# KiCad board 2000ATX.kicad_pcb (continued)
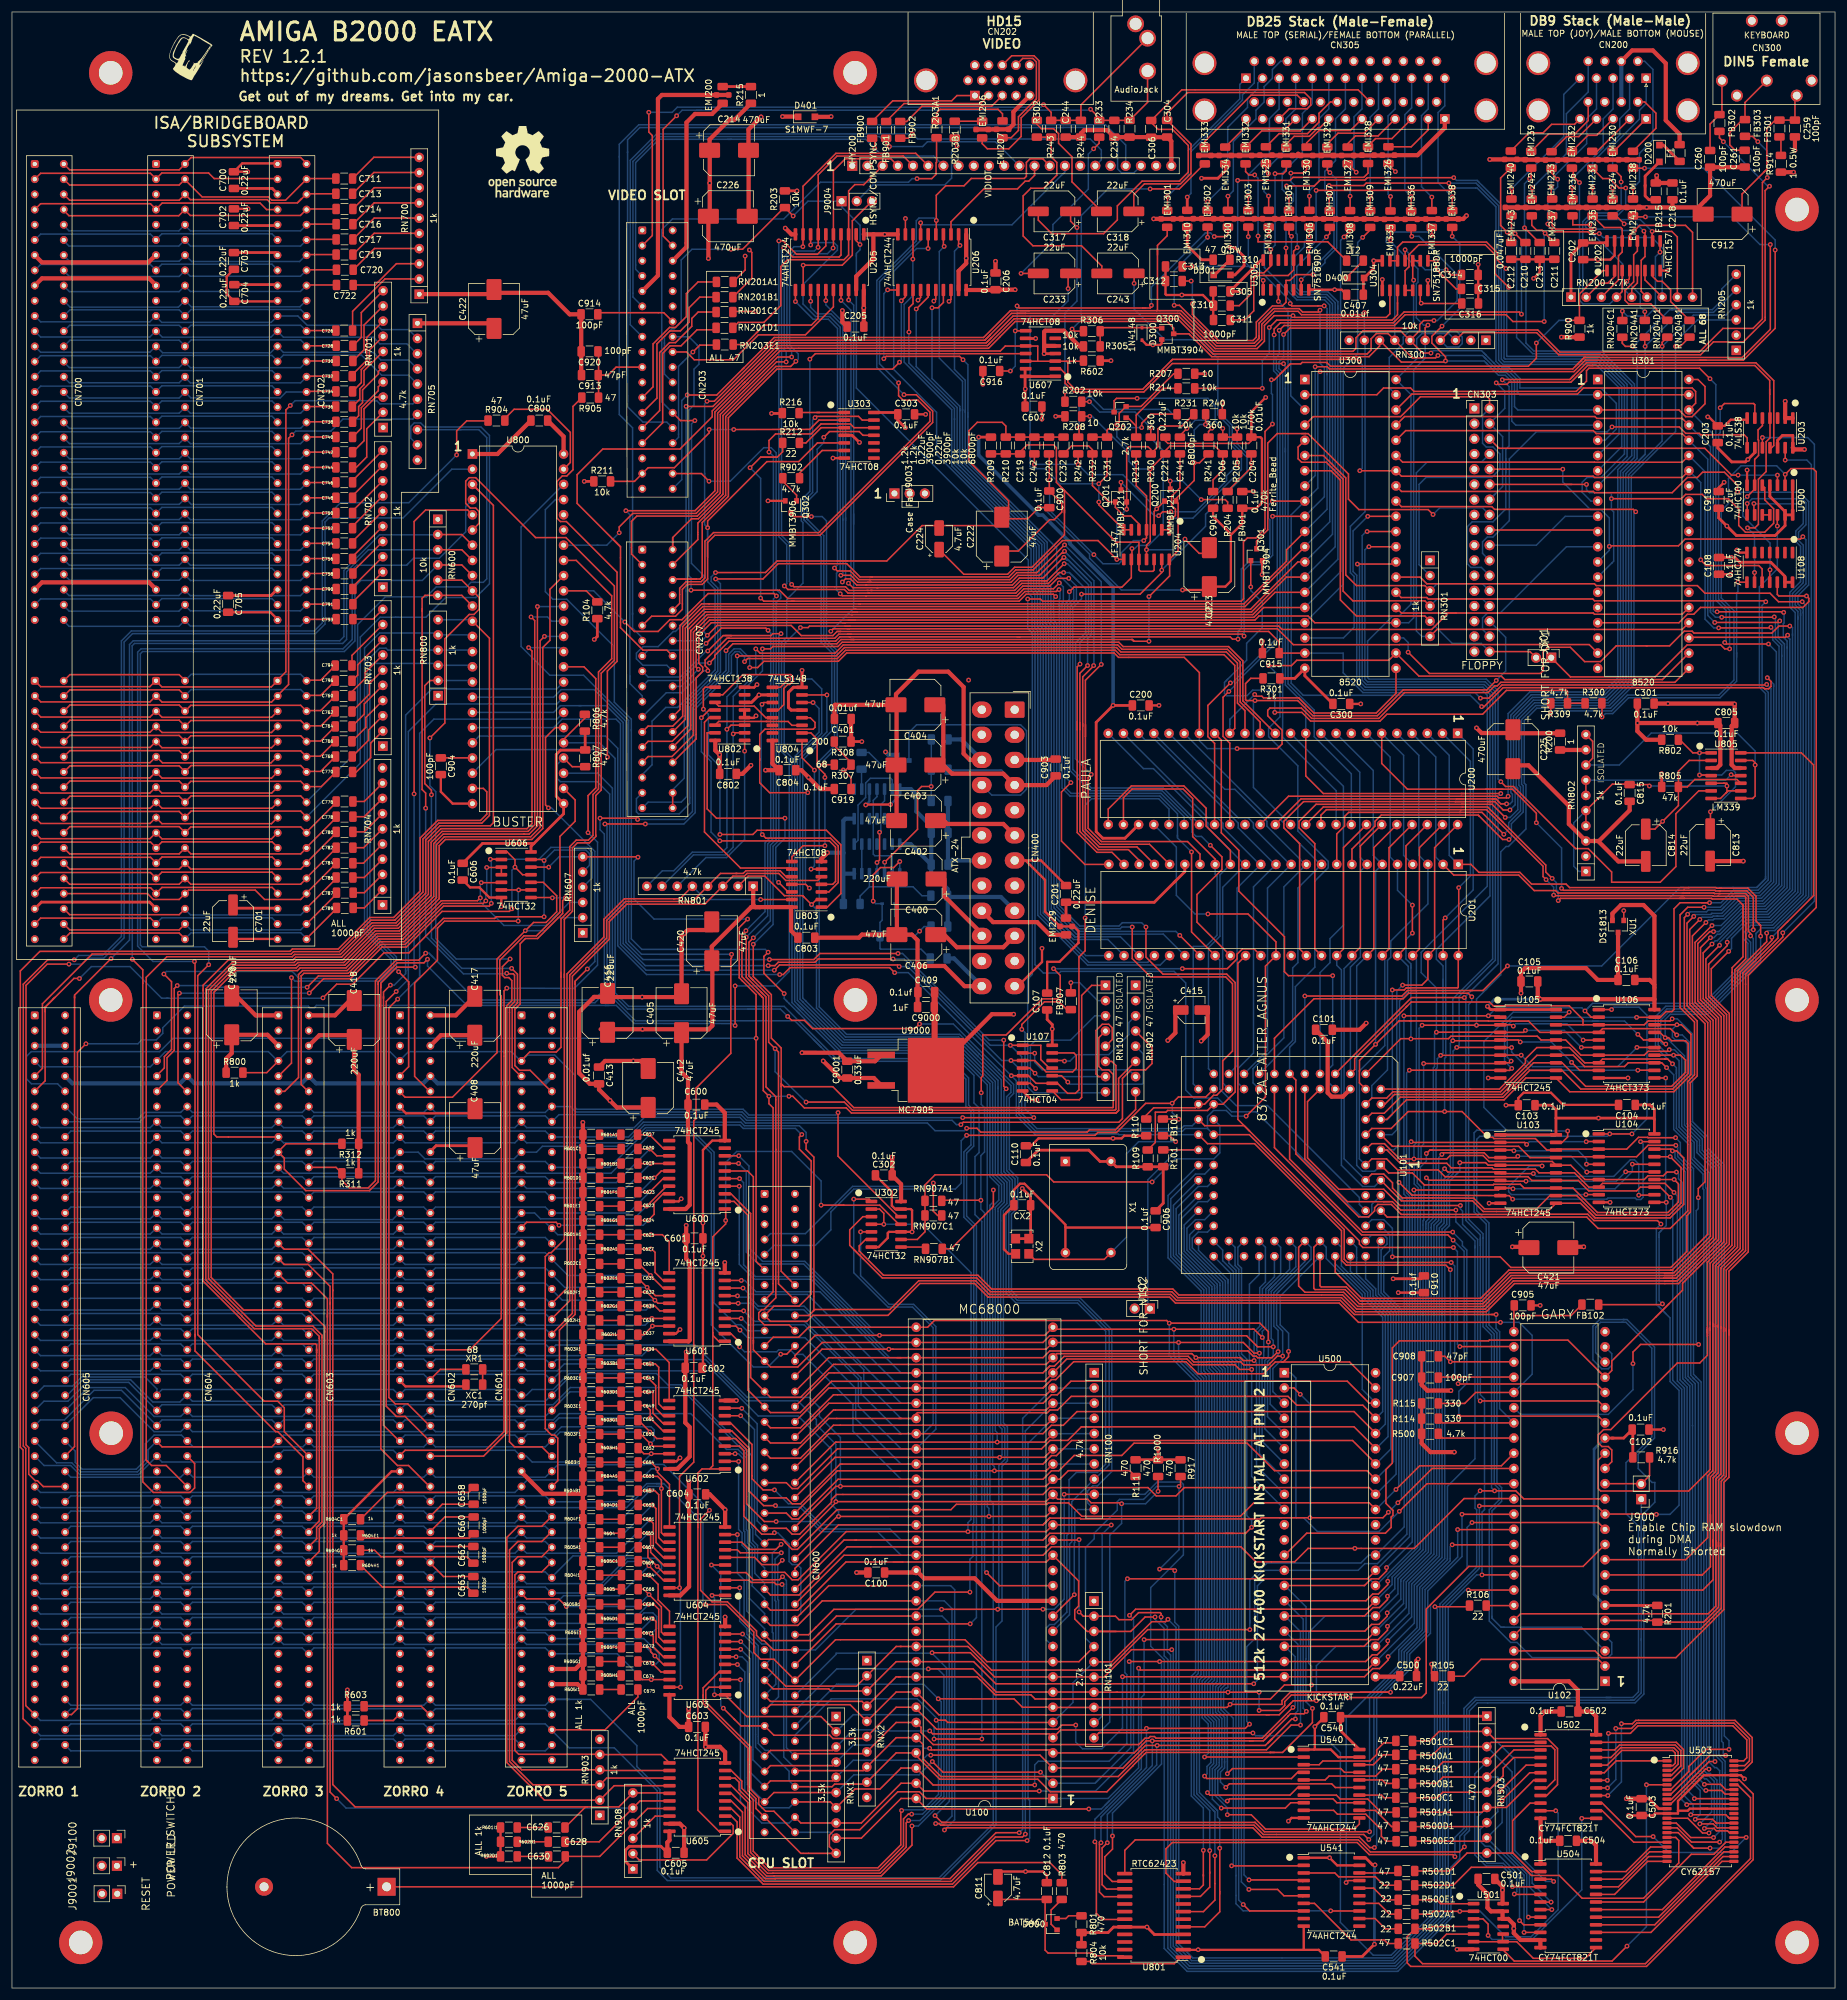
[diagram p0: board, top side]
## Routing (per net, layer and track width the routed paths; a pad name or vN(x,y) marks a point on that pad's centre or on a via; arc(x,y) is an arc through that point) (continued)
DRA3: length 126.8
  Top w0.25: U540.8 213.79,30.96 212.9,30.07 v1(202.18,30.07)
  Bottom w0.25: v1(202.18,30.07) 200.7,31.56 200.7,36.65 201.39,37.34 201.39,44.66 200.33,45.72 200.33,50.73 201.04,51.44 201.04,102.69 200.17,103.57 200.17,117.03 194.64,122.56 194.64,130.23 198.34,133.94 199.88,133.94 U101.46
DRA4: length 133.8
  Top w0.25: U540.11 225.27,27.41 224.43,26.56 209.58,26.56 207.19,28.96 v1(203.2,28.96)
  Bottom w0.25: U101.47 195.09,129.15 195.09,122.75 200.62,117.22 200.62,116.76 200.62,103.8 201.49,102.92 201.49,51.26 200.78,50.54 200.78,45.91 201.84,44.85 201.84,37.15 201.15,36.46 201.15,32.18 203.2,30.13 v1(203.2,28.96)
DRA5: length 131.4
  Top w0.25: v1(203.2,31.24) 203.57,31.61 220.87,31.61 221.51,30.96 U540.13
  Bottom w0.25: v1(203.2,31.24) 202.73,31.24 201.6,32.37 201.6,36.28 202.29,36.97 202.29,38.25 202.29,45.03 201.23,46.09 201.23,50.35 201.94,51.07 201.94,103.11 201.07,103.98 201.07,117.41 195.54,122.94 195.54,128.59 198.34,131.4 199.88,131.4 U101.48
DRA6: length 124.4
  Top w0.25: v1(202.95,33.53) 203.55,34.13 220.63,34.13 221.26,33.5 U540.15
  Bottom w0.25: 202.74,37.8 202.74,37.59 ; 202.74,37.8 202.74,45.22 201.68,46.28 201.68,50.17 202.39,50.88 202.39,103.29 201.52,104.17 201.52,117.59 195.99,123.12 195.99,127.51 U101.49 ; 202.74,37.8 202.74,36.78 202.05,36.09 202.05,34.43 v1(202.95,33.53)
DRA7: length 122.9
  Top w0.25: v1(203.2,35.81) 204.05,36.67 222.16,36.67 222.78,36.04 U540.17
  Bottom w0.25: U101.50 199.41,128.39 197.88,128.39 196.44,126.95 196.44,123.31 201.97,117.78 201.97,117.41 201.97,104.36 202.84,103.48 202.84,50.7 202.13,49.98 202.13,46.51 203.19,45.45 203.2,37.85 v1(203.2,35.81)
DRA8: length 123.5
  Top w0.25: U541.2 215.9,20.42 v1(203.91,20.42)
  Bottom w0.25: v1(203.91,20.42) 204.19,20.7 204.19,45.08 202.58,46.7 202.58,49.78 202.95,50.15 203.16,50.15 203.29,50.28 203.29,103.71 202.42,104.59 202.42,117.97 196.89,123.5 196.89,125.87 U101.51
DRD0: length 268.8
  Top w0.25: v1(287.07,39.88) 283.21,39.88 282.19,38.86 ; 262.66,160.96 262.66,161.83 260.37,164.12 247.67,164.12 247.03,164.76 233.94,164.76 233.12,163.93 ; 262.66,160.96 U106.3 272.9,160.96 273.54,161.59 277.22,161.59 v1(277.57,161.95) ; 262.66,160.96 U105.18 ; U503.7 277.32,33.17 280.37,36.21 280.37,37.03 282.19,38.86 ; 233.12,163.93 224.49,155.3 224.49,153.47 U101.14 ; 233.12,163.93 233.31,164.12 ; 282.19,38.86 282.4,39.07
  Bottom w0.25: U101.14 223.77,170.6 225.44,172.27 225.44,186.63 U201.7 225.34,188.98 225.34,203.16 U200.10 ; v1(277.57,161.95) 278.44,161.95 280.98,159.42 280.98,144.77 283.5,142.24 283.5,140.36 286.29,137.58 286.29,42.13 287.07,41.35 v1(287.07,39.88)
DRD1: length 256.9
  Top w0.25: 280.74,35.74 283.86,38.86 v1(286.51,38.86) ; 280.74,35.74 281.89,36.88 ; 280.74,35.74 277.32,32.37 U503.8 ; 233.63,161.61 233.97,161.61 ; 233.97,161.61 231.9,161.61 v1(227.98,157.69) 225.3,155.01 225.3,153.27 225.28,153.25 225.28,151.25 U101.13 ; 233.97,161.61 246.82,161.61 246.85,161.58 253.55,161.58 255.45,159.69 U105.17 U106.4 265.93,160.31 277.28,160.31 v1(278.33,159.26)
  Bottom w0.25: v1(227.98,157.69) 227.98,186.63 U201.6 227.59,189.27 227.59,203.45 U200.9 ; v1(286.51,38.86) 286.11,39.26 286.11,40.96 285.84,41.24 285.84,137.39 283.05,140.18 283.05,142.06 280.53,144.58 280.53,157.99 279.26,159.26 v1(278.33,159.26)
DRD2: length 244.4
  Top w0.25: 277.11,156.82 v1(277.09,156.79) 276.82,156.52 273.55,156.52 272.9,155.88 U106.7 262.31,155.88 259.77,158.42 U105.16 255.65,158.42 255.03,159.04 240.57,159.04 240.17,158.64 232.2,158.64 U101.12 ; 280.94,35.04 283.75,37.85 v1(284.73,37.85) ; 280.94,35.04 277.47,31.57 U503.9 ; 280.94,35.04 281.36,35.46 ; v1(234.14,180.95) v1(234.14,176.28)
  Bottom w0.25: 233.89,170.44 v1(233.89,158.6) ; 233.89,170.44 233.89,170.91 ; 233.89,170.44 233.89,171.14 233.06,171.97 233.06,175.2 v1(234.14,176.28) ; v1(234.14,180.95) 231.65,183.44 U201.5 230.42,188.98 230.42,205.7 U200.7 ; v1(277.09,156.79) 277.96,156.79 279.18,155.58 279.18,144.02 281.7,141.5 281.7,139.62 284.49,136.83 284.49,38.09 v1(284.73,37.85)
DRD3: length 334.3
  Top w0.25: v1(254.86,194.72) 254.86,196.32 250.85,200.33 246.46,200.33 ; 246.46,200.33 233.35,200.33 233.32,200.3 229.01,204.62 U200.6 ; 246.46,200.33 249.26,200.33 ; 285.64,183.33 284.83,183.33 284.73,183.43 279.61,183.43 ; 285.64,183.33 290.05,183.33 291.13,182.25 v1(291.13,176.83) ; 285.64,183.33 285.45,183.33 ; 276.31,155.23 276.51,155.23 ; 276.31,155.23 276.82,155.23 v1(277.62,154.43) ; 276.31,155.23 265.93,155.23 U106.8 262.94,154.61 260.4,157.15 U105.15 254.94,157.15 253.03,155.24 253.03,154.57 248.68,150.22 243.74,150.22 ; 279.61,183.43 259.39,183.43 v1(259.08,183.74) ; 279.61,183.43 279.45,183.43 ; 243.74,150.22 U101.11 ; 243.74,150.22 243.89,150.22 ; v1(283.72,36.58) 283.12,36.58 283.12,36.56 277.32,30.77 U503.10 277.45,30.77
  Bottom w0.25: U200.6 232.67,205.99 232.67,189.27 U201.4 ; 278.28,152.8 278.28,153.47 ; 278.28,152.8 278.28,153.78 v1(277.62,154.43) 274.78,157.28 274.78,162.33 276.51,164.06 282.99,164.06 290.68,171.75 290.68,174.75 289.95,175.47 289.95,176.17 290.62,176.83 v1(291.13,176.83) ; 278.28,152.8 278.28,143.65 280.8,141.12 280.8,138.58 283.17,136.21 283.17,133.74 283.31,133.59 283.31,36.98 v1(283.72,36.58) ; v1(259.08,183.74) 259.08,190.5 v1(254.86,194.72)
DRD4: length 263.8
  Top w0.25: v1(283.72,25.91) 282.64,25.91 280.19,28.37 U503.13 ; v1(276.63,153.8) 275.82,154.61 U106.13 270.23,154.61 269.61,153.98 262.93,153.98 261.03,155.88 U105.14 258.12,155.85 254.96,155.85 248.87,149.77 230.89,149.77 229.84,148.71 227.35,148.71 U101.10
  Bottom w0.25: v1(283.72,25.91) 285.05,27.24 285.05,34.73 283.94,35.85 283.37,35.85 282.86,36.36 282.86,133.41 282.72,133.55 282.72,136.03 280.35,138.39 280.35,140.94 277.83,143.47 277.83,152.6 v1(276.63,153.8) ; U200.5 235.21,205.99 235.21,189.27 U201.3 236.73,181.15 230.52,174.95 230.52,172.26 229.97,171.7 229.97,153.42 227.35,150.79 227.35,148.71 U101.10
DRD5: length 325.2
  Top w0.25: U106.14 v1(277.8,155.88) 278.97,155.88 279.81,155.04 279.81,153.01 277.47,150.67 263.1,150.67 259.17,154.61 U105.13 254.38,154.61 249.09,149.32 231.15,149.32 229.51,147.68 U101.9 ; 280.47,182.98 284.54,182.98 284.64,182.88 285.55,182.88 ; 280.47,182.98 258.48,182.98 258.07,183.39 254.51,183.39 251.92,185.98 241.05,185.98 U201.2 ; 280.47,182.98 279.25,182.98 ; v1(290.68,175.82) 290.68,176.22 290.31,176.58 290.31,182.43 289.86,182.88 285.55,182.88 ; 285.55,182.88 285.34,182.88 ; U503.14 278.25,27.57 280.67,25.15 v1(284.48,25.15)
  Bottom w0.25: U200.4 238.04,205.7 238.04,188.98 U201.2 ; 285.51,33.8 285.51,34.09 ; 285.51,33.8 285.51,36.31 284.99,36.83 284.68,36.83 283.77,37.74 283.77,136.25 281.25,138.76 281.25,141.31 278.73,143.84 278.73,154.95 v1(277.8,155.88) 276.93,155.88 275.23,157.58 275.23,162.15 276.69,163.61 283.18,163.61 291.13,171.56 291.13,175.37 v1(290.68,175.82) ; 285.51,33.8 285.5,27.19 285.5,26.17 v1(284.48,25.15)
DRD6: length 333.4
  Top w0.25: 285.87,183.78 285.01,183.78 284.91,183.88 280.35,183.88 ; 285.87,183.78 285.45,183.78 ; 285.87,183.78 290.24,183.78 291.58,182.43 291.58,178.31 292.1,177.8 ; 292.1,177.8 292.35,177.54 v1(292.35,175.77) ; 292.1,177.8 292.3,177.59 ; U105.12 253.75,153.34 249.27,148.87 232.13,148.87 229.43,146.17 227.35,146.17 U101.8 ; U105.12 257.12,153.34 ; U105.12 259.17,153.34 262.28,150.22 277.66,150.22 280.26,152.82 280.26,157.84 279.81,158.29 277.48,158.29 276.97,158.8 v1(276.4,158.8) 275.51,159.69 U106.17 ; 280.35,183.88 279.5,183.88 ; 280.35,183.88 260.42,183.88 259.83,184.47 254.06,184.47 252.1,186.43 245.26,186.43 243.93,187.76 U201.1 ; v1(285.5,24.38) 280.8,24.38 278.42,26.77 U503.15
  Bottom w0.25: 283.06,162.71 283.46,162.71 ; 283.06,162.71 283.55,162.71 292.19,171.36 ; 283.06,162.71 277.26,162.71 276.4,161.86 v1(276.4,158.8) 276.59,158.8 279.63,155.76 279.63,144.21 282.15,141.68 282.15,139.8 284.94,137.02 284.94,38.73 285.97,37.69 285.97,34.77 285.97,34.76 285.97,34.3 285.96,34.3 285.96,30.33 285.96,26.11 ; U201.1 240.29,189.27 240.29,205.99 U200.3 ; 285.96,26.11 285.96,24.84 v1(285.5,24.38) ; 285.96,26.11 285.96,25.71 285.95,25.71 ; v1(292.35,175.77) 292.35,171.52 292.19,171.36 ; 292.19,171.36 292.3,171.47
DRD7: length 304.2
  Top w0.25: U106.18 v1(278.36,160.96) 279.12,160.96 280.71,159.37 280.71,152.64 277.84,149.77 260.44,149.77 U105.11 253.11,152.07 249.46,148.42 233.14,148.42 229.86,145.14 U101.7 ; v1(241.88,183.87) 241.88,172.59 U201.48 241.81,167.23 241.71,167.13 233.73,167.13 ; 281.18,23.37 280.84,23.71 ; 280.84,23.71 281.17,23.38 v1(283.91,23.38) ; 280.84,23.71 278.58,25.97 U503.16 ; 233.73,167.13 233.12,167.13 ; 233.73,167.13 233.13,167.13 232.77,166.78 v1(230.78,166.78)
  Bottom w0.25: 241.86,183.85 v1(241.88,183.87) 243.84,185.83 243.84,204.98 U200.2 ; U101.7 229.97,145.14 230.78,145.95 v1(230.78,166.78) ; v1(278.36,160.96) 277.61,160.21 277.61,158.91 278.07,158.45 279.4,158.45 280.08,157.77 280.08,144.4 282.6,141.87 282.6,139.99 285.39,137.2 285.39,38.91 286.42,37.88 286.42,35.39 ; v1(283.91,23.38) 285.56,23.38 286.42,24.24 286.42,35.39 ; 286.42,35.39 286.42,35.99
DRD8: length 250.5
  Top w0.25: v1(239.62,178.82) 239.27,178.46 U201.47 ; v1(282.96,26.67) 284.56,26.67 284.96,26.27 286.82,26.27 287.12,25.97 U503.29 ; v1(278.13,142.09) 273.54,142.09 273.47,142.15 271.94,142.15 269.97,140.18 U104.3 258.29,140.18 U103.18 256.62,140.03 254.7,141.95 247.77,141.95 247.56,142.15 246.75,142.15 242.45,146.46 v1(239.52,146.46) 233.43,146.46 230.6,143.63 227.35,143.63 U101.6
  Bottom w0.25: U200.1 244.3,207.06 244.3,183.49 v1(239.62,178.82) ; U201.47 239.71,172.07 239.71,155.54 239.52,155.35 v1(239.52,146.46) ; 282.41,37.74 282.41,101.26 281.55,102.13 281.55,102.15 281.13,102.56 281.13,136.93 278.94,139.13 278.94,141.28 v1(278.13,142.09) ; v1(282.96,26.67) 284.6,28.32 284.6,34.55 283.75,35.4 283.18,35.4 282.41,36.17 282.41,40.31
DRD9: length 239.7
  Top w0.25: U200.48 237.85,190.56 237.85,173.64 U201.46 236.73,168.6 235.71,167.58 v1(232.5,167.58) ; U101.5 230.79,140.66 251.91,140.66 253.8,138.76 U103.17 258.29,138.91 U104.4 271.63,138.91 273.54,140.82 v1(278.18,140.82) ; v1(282.19,27.43) 284.44,27.43 285.1,26.77 U503.30
  Bottom w0.25: 281.1,101.94 281.21,101.83 ; 281.1,101.94 281.1,101.96 280.68,102.38 280.68,136.74 278.49,138.94 278.49,140.51 v1(278.18,140.82) ; 281.1,101.94 281.21,101.83 ; 281.21,101.83 281.96,101.08 281.96,36.85 ; 281.96,36.85 281.96,35.99 283,34.95 283.31,34.95 284.15,34.11 284.15,29.39 282.96,28.19 ; 281.96,36.85 281.96,40.5 ; v1(282.19,27.43) 282.96,28.19 ; 282.96,28.19 283.78,29.02 ; v1(232.5,167.58) 231.54,166.62 231.54,143.41 230.73,142.6 U101.5
DRD10: length 233.3
  Top w0.25: 287.88,27.58 286.52,27.58 ; 284.94,27.57 284.31,28.19 v1(281.43,28.19) ; 284.94,27.57 284.67,27.84 ; 284.94,27.57 U503.31 ; U101.4 227.35,141.09 229.46,141.09 232.01,138.54 v1(234.4,138.54) 239.89,138.54 240.46,139.12 245.94,139.12 246.94,138.12 257.52,138.12 U103.16 260.61,137.49 262.99,135.1 U104.7 272.9,135.1 273.54,135.74 276.1,135.74 276.71,136.35 v1(278.28,136.35) ; U200.47 235.31,190.56 235.31,173.64 U201.45
  Bottom w0.25: 282.25,31.05 282.25,31.56 ; 282.25,31.05 282.25,29.02 v1(281.43,28.19) ; 282.25,31.05 282.25,33.03 280.52,34.76 280.52,100.61 279.75,101.38 279.75,101.4 279.33,101.82 279.33,134.53 278.63,135.24 278.63,136 v1(278.28,136.35) ; U201.45 234.8,171.9 234.8,141.22 234.4,140.82 v1(234.4,138.54)
DRD11: length 226.6
  Top w0.25: 286.89,28.6 287.12,28.37 ; 287.12,28.37 286.53,28.96 v1(280.67,28.96) ; 287.12,28.37 U503.32 ; U200.46 233.06,190.85 233.06,173.93 U201.44 ; v1(277.88,132.94) 276.36,134.46 265.93,134.46 U104.8 263.63,133.83 261.24,136.22 U103.15 255.3,136.22 254.68,136.85 247.69,136.85 247.48,137.05 240.64,137.05 239.88,137.81 232.1,137.81 229.86,140.06 U101.3
  Bottom w0.25: 279.62,32.7 279.62,100.24 278.43,101.42 278.43,132.38 v1(277.88,132.94) ; 279.62,32.7 279.62,32.1 281.07,30.65 281.07,29.36 v1(280.67,28.96) ; 279.62,32.7 279.62,32.24 ; U101.3 231.05,140.06 231.99,141 231.99,164.93 233.44,166.38 233.44,170.72 U201.44
DRD12: length 228.3
  Top w0.25: 286,30.73 287.88,30.73 ; U201.43 230.23,173.64 230.23,190.56 U200.45 ; U101.2 227.35,138.55 229.83,138.55 231.69,136.69 238.47,136.69 239.58,135.58 253.46,135.58 254.08,134.95 U103.14 261.87,134.95 263.62,133.21 271.63,133.21 272.26,133.83 U104.13 275.56,133.83 v1(277.27,132.13) ; U503.35 280.14,30.77 v1(280.01,30.63)
  Bottom w0.25: v1(280.01,30.63) 279.17,31.47 279.17,100.05 277.67,101.55 277.67,131.73 v1(277.27,132.13) ; U201.43 229.52,172.1 229.52,157.49 228.3,156.26 228.29,156.26 225.28,153.25 225.28,138.55 U101.2
DRD13: length 237.5
  Top w0.25: U104.14 v1(277.9,135.1) 278.6,134.4 278.6,131.33 276.86,129.59 265.07,129.59 260.98,133.68 U103.13 252.81,133.68 252.18,134.31 247.75,134.31 247.64,134.2 236.13,134.2 234.14,136.19 230.17,136.19 U101.1 ; U200.44 227.69,190.56 227.69,173.64 U201.42 ; U503.36 287.8,31.65 v1(281.28,31.65)
  Bottom w0.25: v1(281.28,31.65) 281.28,31.89 280.07,33.11 280.07,100.42 279.3,101.19 ; U201.42 224.83,170.78 224.83,137.47 225.82,136.48 227.82,136.48 U101.1 ; 279.45,101.04 278.88,101.61 278.88,134.12 v1(277.9,135.1)
DRD14: length 248
  Top w0.25: U104.17 v1(277.24,138.91) 279.05,137.1 279.05,131.15 277.05,129.14 264.88,129.14 261.61,132.41 U103.12 ; U103.12 257.53,132.41 ; U103.12 257.12,132.41 254.91,130.2 246.18,130.2 244.39,131.99 237.55,132.03 232.45,132.03 230.81,133.67 230.81,134.55 229.35,136.01 227.35,136.01 U101.84 ; U201.41 225.44,173.93 225.44,190.85 U200.43 ; v1(283.21,33.02) 285.8,33.02 286.41,32.41 287.84,32.41 U503.37 287.88,32.36
  Bottom w0.25: v1(277.24,138.91) 279.78,136.37 279.78,102 280.2,101.59 280.2,101.57 280.97,100.8 280.97,93.99 280.97,93.98 280.97,34.94 282.9,33.02 v1(283.21,33.02) ; U201.41 224.03,171.65 222.72,170.35 222.72,138.57 U101.84
DRD15: length 251.6
  Top w0.25: 287.87,33.18 U503.38 286.52,33.17 285.65,34.04 v1(282.96,34.04) ; U201.40 222.61,173.64 222.61,190.56 U200.42 ; 264.7,128.69 262.25,131.14 U103.11 256.75,129.75 245.99,129.75 244.2,131.54 232.29,131.54 U101.83 228.85,134.82 ; 264.7,128.69 263.64,129.75 ; 264.7,128.69 277.23,128.69 279.5,130.96 279.5,138.72 278.33,139.89 v1(277.61,139.89) 277.32,140.18 U104.18
  Bottom w0.25: v1(277.61,139.89) 277.89,139.89 278.04,139.74 278.04,138.75 280.23,136.56 280.23,102.19 280.65,101.78 ; U201.40 221.49,170.9 222.27,170.12 222.27,137.49 225.82,133.94 227.82,133.94 U101.83 ; 280.65,101.75 281.42,100.98 281.42,35.57 v1(282.96,34.04)
E: length 540
  Top w0.25: XR1.1 71.63,103.38 69.82,101.57 ; v1(131.83,227.33) 133.1,227.33 133.35,227.58 140.11,227.58 ; 140.11,227.58 139.24,227.58 ; 140.11,227.58 211.79,227.58 212.35,227.02 237.37,227.02 240.11,229.76 241.45,229.76 ; CN600.50 137.98,78.81 v1(138.21,78.81) v1(163.34,78.81) 172.92,78.81 U100.20 ; 241.45,229.76 232.32,229.76 U300.25 ; 241.45,229.76 264.38,229.76 264.59,229.56 279.24,229.56 U301.25
  Bottom w0.25: 8.86,101.57 9.84,102.55 28.2,102.55 29.18,101.57 30.16,102.55 48.52,102.55 49.5,101.57 50.48,102.55 68.84,102.55 69.82,101.57 70.8,102.55 89.16,102.55 90.14,101.57 ; 163.05,84.19 163.05,80.43 163.34,80.14 v1(163.34,78.81) ; 163.05,84.19 163.05,83.97 ; 163.05,84.19 163.05,150.93 157.33,156.66 138.43,156.66 131.75,163.34 ; v1(131.83,227.33) 129.11,224.62 129.11,206.85 130.41,205.56 130.41,164.68 131.75,163.34 ; v1(138.21,78.81) 138.21,79.62 136.99,80.84 136.99,90.03 131.44,95.58 124.77,95.58 117.22,103.13 91.83,103.13 CN601.50 ; 131.75,163.34 131.32,163.77
E7M: length 309.1
  Top w0.25: RN907B1.1 157,123.52 164.08,130.6 v1(164.08,133.35)
  Bottom w0.25: 93.26,48.23 90.14,48.23 89.16,47.25 70.8,47.25 69.82,48.23 68.84,47.25 50.48,47.25 49.5,48.23 48.52,47.25 30.16,47.25 29.18,48.23 28.2,47.25 9.84,47.25 8.86,48.23 ; 164.07,66.43 164.07,80.94 163.5,81.5 163.5,130.81 164.08,131.39 v1(164.08,133.35) ; 164.07,66.43 164.07,65.04 ; 164.07,66.43 164.07,27.46 155.01,18.41 110.14,18.41 108.33,20.22 108.33,33.16 104.48,37.01 104.48,40.51 96.75,48.23 CN601.92
ECDAC: length 194.4
  Top w0.25: RN902.8 187.86,146.79 184.47,143.4 180.14,143.4 179.76,143.02 161.97,143.02 161.33,143.66 v1(159.61,143.66)
  Bottom w0.25: 159.66,143.61 v1(159.61,143.66) 159.21,143.26 154.33,143.26 153.05,144.54 122.64,144.54 121.69,145.49 105.73,145.49 104.02,143.77 86.04,143.77 85.06,144.75 84.08,143.77 65.72,143.77 64.74,144.75 63.76,143.77 45.4,143.77 44.42,144.75 43.44,143.77 25.08,143.77 24.1,144.75 23.12,143.77 4.76,143.77 3.78,144.75
FC0: length 196.9
  Top w0.25: 180.92,100.25 RN100.2 ; U100.28 172.92,99.13 137.34,99.13 131.84,93.62 126.81,93.62 CN600.31 ; U605.5 120.25,31.27 122.13,29.39 122.13,22.09 125.96,18.27 127.59,18.27 127.61,18.29 156.84,18.29 164.51,25.96 v1(168.4,25.96)
  Bottom w0.25: v1(168.4,25.96) 168.98,26.53 168.98,95.19 U100.28 180.92,100.25
FC1: length 194.9
  Top w0.25: CN600.33 126.81,91.08 131.84,91.08 137.34,96.59 172.92,96.59 U100.27 ; 180.92,97.71 RN100.3 ; v1(169.43,25.71) 168.95,25.23 164.43,25.23 157.01,17.82 125.77,17.82 121.68,21.9 121.68,28.57 120.25,30 U605.4
  Bottom w0.25: 169.43,31.69 v1(169.43,25.71) ; 169.43,31.69 169.43,93.1 U100.27 180.92,97.71 ; 169.43,31.69 169.43,31.39
FC2: length 192.6
  Top w0.25: v1(169.72,24.64) 164.51,24.64 157.24,17.37 125.58,17.37 121.23,21.72 121.23,27.75 120.25,28.73 U605.3 ; 174.07,95.2 U100.26 172.92,94.05 137.34,94.05 131.84,88.54 126.81,88.54 CN600.35
  Bottom w0.25: U100.26 169.88,91.01 169.88,31.6 170.15,31.32 170.15,25.07 v1(169.72,24.64) ; RN100.4 174.07,95.2
FLTLEFT: length 116.4
  Top w0.25: CN203.3 107.06,292.84 107.06,309.55 106.48,310.13 v1(106.48,313.44) ; CN205.T 178.72,314.68 R244.2 R243.1 173.74,313.43 v1(172.47,314.71) 172.31,314.55
  Bottom w0.25: v1(106.48,313.44) 110.38,313.43 111.24,314.29 172.05,314.29 v1(172.47,314.71)
FLTRIGHT: length 110.8
  Top w0.25: CN203.4 108.86,292.77 108.86,310.59 v1(111.12,312.85) ; v1(180.34,313.94) 181.77,312.52 R233.1 R234.2 189.86,315.1 CN205.R
  Bottom w0.25: 115.27,313.78 112.06,313.78 v1(111.12,312.85) ; 115.27,313.78 180.18,313.78 v1(180.34,313.94) ; 115.27,313.78 114.41,313.78
G0: length 125.6
  Top w0.25: 114.45,235.44 115.03,235.44 115.41,235.82 ; 114.45,235.44 110.81,235.44 110.46,235.79 ; 114.45,235.44 110.62,235.44 CN207.6 ; 115.41,235.82 115.41,244.89 119.78,249.26 119.78,262.4 127.89,270.52 147.23,270.52 v1(148.39,271.68) ; 115.41,235.82 115.41,236.52 ; U206.12 149.38,282.63 v1(148.69,281.94)
  In1.Cu w0.25: 158.18,307.03 157.85,307.03 ; 158.18,307.03 163.36,307.03 HY200.11 ; 158.18,307.03 153.98,307.03 152.01,305.06 152.01,303.29 153.01,302.29 153.01,295.81 153.98,294.84 153.98,287.23 v1(148.69,281.94) 148.63,282
  Bottom w0.25: v1(148.39,271.68) 148.69,271.98 v1(148.69,281.94)
G1: length 130.6
  Top w0.25: U206.14 151.92,282.47 v1(151.49,282.04)
  In1.Cu w0.25: HY200.10 161.72,306.12 155.62,306.12 154.55,305.06 154.55,302.71 155.55,301.71 155.55,291.81 154.43,290.68 154.43,284.99 v1(151.49,282.04) 148.37,278.93 127.96,278.93 125.55,281.34 123.82,281.34 123.18,280.7 123.18,272.57 124.77,270.99 124.77,241.5 117.83,234.57 113.13,234.57 112.29,233.73 106.36,233.73 CN207.7
G2: length 123.3
  Top w0.25: U206.16 154.46,282.22 v1(154.13,281.89)
  In1.Cu w0.25: HY200.9 159.63,305.67 157.71,305.67 157.04,305.01 157.04,285.52 154.13,282.61 v1(154.13,281.89) 153.56,281.89 150.15,278.48 127.77,278.48 125.36,280.89 124.01,280.89 123.63,280.51 123.63,279.81 125.22,278.23 125.22,239.19 118.78,232.75 CN207.8
G3: length 64
  Top w0.25: RN201C1.1 120.63,280.16 v1(124.36,280.16) ; v1(156.67,281.84) 157,282.17 U206.18
  In1.Cu w0.25: v1(124.36,280.16) 126.49,278.03 152.85,278.03 v1(156.67,281.84) 157.49,282.66 157.49,296.64 158.29,297.43 158.27,297.45 HY200.8
M0H: length 154.3
  Top w0.25: v1(249.43,192.79) 245.76,196.45 242.07,196.45 ; 242.07,196.45 242.23,196.45 ; 242.07,196.45 223.48,196.45 222.8,195.78 222.8,194.16 221.49,192.85 U201.9 ; RN204D1.2 275.89,275 v1(275.89,274.32)
  Bottom w0.25: v1(249.43,192.79) 250.24,193.6 250.24,194.73 252.21,196.71 252.21,200.69 251.94,200.97 251.94,212.13 254.57,214.76 266.89,214.76 270.28,218.15 270.28,252.87 275.89,258.48 v1(275.89,274.32) 281.13,279.55 286.56,279.55 RN205.4
M0V: length 188.1
  Top w0.25: 246.81,198.25 247.65,198.25 ; 246.81,198.25 247.92,198.25 249.32,196.85 v1(250.44,196.85) ; 246.81,198.25 241.32,198.25 ; v1(271.02,274.32) 269.75,274.32 269.24,274.83 RN204C1.2 269.24,274.93 ; 241.32,198.25 242.98,198.25 ; 241.32,198.25 215.94,198.25 212.64,194.95 212.64,193.87 215.28,191.23 215.28,173.64 U201.38
  Bottom w0.25: 271.71,273.12 271.71,255.58 269.38,253.25 269.38,218.52 266.51,215.66 254.19,215.66 251.04,212.51 251.04,200.55 251.31,200.27 251.31,197.72 v1(250.44,196.85) ; 271.71,273.12 271.71,273.39 271.7,273.39 ; 271.71,273.12 271.71,273.63 v1(271.02,274.32) 277.15,280.45 277.66,280.45 ; 277.66,280.45 277.4,280.45 ; 277.66,280.45 284.29,280.45 285.85,282.02 285.85,283.92 RN205.6
M1H: length 150.3
  Top w0.25: 245.34,195.81 245.14,196 228.93,196 227.88,194.95 227.88,194.16 224.03,190.31 U201.8 ; 245.34,195.81 245.2,195.94 ; 245.34,195.81 249.22,191.92 v1(250.29,191.92) ; RN204B1.2 278.92,274.32 v1(278.13,274.32)
  Bottom w0.25: v1(250.29,191.92) 250.69,192.32 250.69,194.55 252.66,196.52 252.66,200.88 252.39,201.16 252.39,211.95 254.75,214.31 267.07,214.31 270.73,217.97 270.73,252.69 278.14,260.1 v1(278.13,274.32) 278.13,275.08 281.79,278.74 RN205.3
M1V: length 179.5
  Top w0.25: v1(273.05,274.32) 273,274.37 RN204A1.2 273.05,275.82 ; 242.38,197.8 218.03,197.8 215.18,194.95 215.18,193.87 217.82,191.23 217.82,173.64 U201.39 ; 242.38,197.8 247.46,197.8 v1(249.66,195.61) ; 242.38,197.8 242.79,197.8
  Bottom w0.25: RN205.5 284.47,280 278.73,280 v1(273.05,274.32) 273.05,256.28 272.06,255.29 ; 272.06,255.29 269.83,253.06 269.83,218.34 266.7,215.21 254.38,215.21 251.49,212.32 251.49,200.74 251.51,200.71 251.56,200.71 251.76,200.51 251.76,196.89 250.48,195.61 v1(249.66,195.61) ; 272.06,255.29 273.06,256.29
OVL: length 295.4
  Top w0.25: 283.97,268.83 v1(283.9,268.91) 282.14,270.67 263.66,270.67 263.25,270.26 263.25,268.5 261.54,266.79 234.4,266.79 233.82,267.37 229.32,267.37 228.19,266.24 U300.2 ; v1(271.02,104.34) 271.02,106.27 272.29,107.54 v1(281.99,107.54) ; v1(293.67,224.59) 286.61,224.59 v1(286.36,224.84) ; v1(281.18,179.07) 280.05,177.95 280.05,164.16 283.06,161.14 283.06,134.73 281.94,133.6 v1(281.94,132.08)
  Bottom w0.25: v1(286.36,224.84) 286.58,225.06 286.58,230.21 284.87,231.92 284.87,267.93 283.92,268.88 ; v1(281.99,107.54) 281.59,107.94 281.59,129.89 281.94,130.24 v1(281.94,132.08) ; 284.23,179.57 285.87,179.57 288.39,182.1 292.49,182.1 294.99,184.6 294.99,223.27 v1(293.67,224.59) ; 284.23,179.57 284.04,179.38 281.24,179.38 281.18,179.32 v1(281.18,179.07) ; 284.23,179.57 284.12,179.57 ; U102.30 252.23,95.85 266.88,95.85 271.02,99.99 v1(271.02,104.34)
PBUSY: length 269
  Top w0.25: U301.39 U301.2 ; v1(237.24,273.2) 235.86,273.2 RN300.6 ; RN300.6 232.16,276.91 225.86,276.91 224.7,275.75 224.7,273.97 224.22,273.5 200.98,273.5 195.09,279.39 167.37,279.39 163.78,275.79 ; RN300.6 235.36,276.96 235.36,277.98 236.02,278.64 v1(237.74,278.64) ; 163.78,275.79 162.88,274.9 127.81,274.9 117.19,264.29 v1(112.71,264.29) ; 163.78,275.79 162.97,274.99 ; v1(234.04,292.71) 233.93,292.81 EMI336.1
  Bottom w0.25: 235.97,292 235.52,292.46 ; 235.97,292 235.26,292.71 v1(234.04,292.71) ; 235.97,292 241.61,286.36 241.61,281.94 238.31,278.64 v1(237.74,278.64) ; CN207.18 109.48,221.03 105.49,221.03 104.4,222.11 104.4,223.06 105.49,224.15 108.03,224.15 110.57,226.69 110.94,226.69 112.7,228.45 112.7,233.53 ; 246.44,272.86 245.7,273.6 237.64,273.6 v1(237.24,273.2) ; 246.44,272.86 246.1,273.2 ; 246.44,272.86 247.81,271.49 ; 247.81,271.49 248.9,270.4 250.03,270.4 251.66,268.78 251.66,266.7 252.11,266.24 U301.2 ; 247.81,271.49 247.66,271.64 ; 112.7,233.53 112.7,233.35 ; 112.7,233.53 v1(112.71,264.29)
PPD0: length 221.3
  Top w0.25: 140.28,226.23 138.25,226.23 137.56,225.55 119.91,225.55 ; 140.28,226.23 205.72,226.23 205.99,225.96 v1(205.99,225.91) ; 140.28,226.23 139.67,226.23 ; v1(218.69,280.37) 218.39,280.06 215.77,280.06 215.21,280.63 210.93,280.63 208.5,278.2 208.5,276.06 ; 119.91,225.55 119.73,225.55 ; 119.91,225.55 119.76,225.55 ; 119.91,225.55 119.53,225.55 115.89,221.9 115.89,220.95 116.34,220.49 v1(116.34,220.12) ; v1(194.31,281.18) 195.21,281.18 201.53,274.85 207.69,274.85 208.5,275.66 ; 208.5,276.06 208.5,275.66 ; 208.5,276.06 208.5,275.66 ; EMI302.1 v1(199.9,292.56) ; 208.5,275.66 208.25,275.41 ; U300.10 v1(210.77,245.92)
  Bottom w0.25: v1(205.99,225.91) 205.99,236.93 206.91,237.85 209.19,237.85 210.77,239.42 v1(210.77,245.92) ; CN207.23 109.4,216.45 111.92,216.45 115.6,220.12 v1(116.34,220.12) ; U300.10 219.42,249.19 219.42,270.78 218.69,271.5 v1(218.69,280.37) ; v1(194.31,281.18) 194.31,286.97 v1(199.9,292.56)
PPD1: length 200
  Top w0.25: 141.83,231.29 116.61,231.29 ; 141.83,231.29 205.97,231.29 213.09,238.42 213.09,240.32 U300.11 ; 141.83,231.29 141.53,231.29 ; 116.61,231.29 115.31,231.29 111.68,227.67 111.68,213.64 CN207.24 ; 116.61,231.29 116.43,231.29 ; EMI303.1 v1(206.71,292.66) ; v1(213.72,281.48) 213.72,281.33 213.97,281.08 218.33,281.08 218.35,281.09 v1(219.39,281.09)